# KiCad board oibus-mini-CCC_PANEL.kicad_pcb (continued)
## Placement (name value [footprint] x y rotation side) (continued)
D1#20  MBR120  [D_SOD-123F]  138.2 137.51 180 top
D1#21  MBR120  [D_SOD-123F]  64.2 137.51 180 top
D1#22  MBR120  [D_SOD-123F]  175.2 137.51 180 top
D1#23  MBR120  [D_SOD-123F]  27.2 203.51 180 top
D1#24  MBR120  [D_SOD-123F]  286.2 137.51 180 top
D1#25  MBR120  [D_SOD-123F]  249.2 137.51 180 top
D1#26  MBR120  [D_SOD-123F]  212.2 203.51 180 top
D1#27  MBR120  [D_SOD-123F]  101.2 203.51 180 top
D1#28  MBR120  [D_SOD-123F]  138.2 203.51 180 top
D1#29  MBR120  [D_SOD-123F]  64.2 203.51 180 top
D1#30  MBR120  [D_SOD-123F]  175.2 203.51 180 top
D1#31  MBR120  [D_SOD-123F]  286.2 203.51 180 top
D1#32  MBR120  [D_SOD-123F]  249.2 203.51 180 top
D3  LED_red  [LED_0603_1608Metric]  7.5 9.51 90 top
D3#2  LED_red  [LED_0603_1608Metric]  44.5 9.51 90 top
D3#3  LED_red  [LED_0603_1608Metric]  81.5 9.51 90 top
D3#4  LED_red  [LED_0603_1608Metric]  118.5 9.51 90 top
D3#5  LED_red  [LED_0603_1608Metric]  192.5 9.51 90 top
D3#6  LED_red  [LED_0603_1608Metric]  155.5 9.51 90 top
D3#7  LED_red  [LED_0603_1608Metric]  266.5 9.51 90 top
D3#8  LED_red  [LED_0603_1608Metric]  229.5 9.51 90 top
D3#9  LED_red  [LED_0603_1608Metric]  7.5 75.51 90 top
D3#10  LED_red  [LED_0603_1608Metric]  118.5 75.51 90 top
D3#11  LED_red  [LED_0603_1608Metric]  44.5 75.51 90 top
D3#12  LED_red  [LED_0603_1608Metric]  81.5 75.51 90 top
D3#13  LED_red  [LED_0603_1608Metric]  192.5 75.51 90 top
D3#14  LED_red  [LED_0603_1608Metric]  155.5 75.51 90 top
D3#15  LED_red  [LED_0603_1608Metric]  266.5 75.51 90 top
D3#16  LED_red  [LED_0603_1608Metric]  229.5 75.51 90 top
D3#17  LED_red  [LED_0603_1608Metric]  7.5 141.51 90 top
D3#18  LED_red  [LED_0603_1608Metric]  118.5 141.51 90 top
D3#19  LED_red  [LED_0603_1608Metric]  44.5 141.51 90 top
D3#20  LED_red  [LED_0603_1608Metric]  81.5 141.51 90 top
D3#21  LED_red  [LED_0603_1608Metric]  192.5 141.51 90 top
D3#22  LED_red  [LED_0603_1608Metric]  155.5 141.51 90 top
D3#23  LED_red  [LED_0603_1608Metric]  7.5 207.51 90 top
D3#24  LED_red  [LED_0603_1608Metric]  266.5 141.51 90 top
D3#25  LED_red  [LED_0603_1608Metric]  229.5 141.51 90 top
D3#26  LED_red  [LED_0603_1608Metric]  118.5 207.51 90 top
D3#27  LED_red  [LED_0603_1608Metric]  44.5 207.51 90 top
D3#28  LED_red  [LED_0603_1608Metric]  81.5 207.51 90 top
D3#29  LED_red  [LED_0603_1608Metric]  192.5 207.51 90 top
D3#30  LED_red  [LED_0603_1608Metric]  155.5 207.51 90 top
D3#31  LED_red  [LED_0603_1608Metric]  266.5 207.51 90 top
D3#32  LED_red  [LED_0603_1608Metric]  229.5 207.51 90 top
D4  LED_green  [LED_0603_1608Metric]  1.6 51.86 270 top
D4#2  LED_green  [LED_0603_1608Metric]  38.6 51.86 270 top
D4#3  LED_green  [LED_0603_1608Metric]  75.6 51.86 270 top
D4#4  LED_green  [LED_0603_1608Metric]  112.6 51.86 270 top
D4#5  LED_green  [LED_0603_1608Metric]  186.6 51.86 270 top
D4#6  LED_green  [LED_0603_1608Metric]  149.6 51.86 270 top
D4#7  LED_green  [LED_0603_1608Metric]  223.6 51.86 270 top
D4#8  LED_green  [LED_0603_1608Metric]  260.6 51.86 270 top
D4#9  LED_green  [LED_0603_1608Metric]  1.6 117.86 270 top
D4#10  LED_green  [LED_0603_1608Metric]  149.6 117.86 270 top
D4#11  LED_green  [LED_0603_1608Metric]  112.6 117.86 270 top
D4#12  LED_green  [LED_0603_1608Metric]  38.6 117.86 270 top
D4#13  LED_green  [LED_0603_1608Metric]  75.6 117.86 270 top
D4#14  LED_green  [LED_0603_1608Metric]  186.6 117.86 270 top
D4#15  LED_green  [LED_0603_1608Metric]  223.6 117.86 270 top
D4#16  LED_green  [LED_0603_1608Metric]  260.6 117.86 270 top
D4#17  LED_green  [LED_0603_1608Metric]  1.6 183.86 270 top
D4#18  LED_green  [LED_0603_1608Metric]  149.6 183.86 270 top
D4#19  LED_green  [LED_0603_1608Metric]  112.6 183.86 270 top
D4#20  LED_green  [LED_0603_1608Metric]  38.6 183.86 270 top
D4#21  LED_green  [LED_0603_1608Metric]  75.6 183.86 270 top
D4#22  LED_green  [LED_0603_1608Metric]  186.6 183.86 270 top
D4#23  LED_green  [LED_0603_1608Metric]  1.6 249.86 270 top
D4#24  LED_green  [LED_0603_1608Metric]  223.6 183.86 270 top
D4#25  LED_green  [LED_0603_1608Metric]  260.6 183.86 270 top
D4#26  LED_green  [LED_0603_1608Metric]  149.6 249.86 270 top
D4#27  LED_green  [LED_0603_1608Metric]  112.6 249.86 270 top
D4#28  LED_green  [LED_0603_1608Metric]  38.6 249.86 270 top
D4#29  LED_green  [LED_0603_1608Metric]  75.6 249.86 270 top
D4#30  LED_green  [LED_0603_1608Metric]  186.6 249.86 270 top
D4#31  LED_green  [LED_0603_1608Metric]  223.6 249.86 270 top
D4#32  LED_green  [LED_0603_1608Metric]  260.6 249.86 270 top
D5  LED_blue  [LED_0603_1608Metric]  35.9 21.01 270 top
D5#2  LED_blue  [LED_0603_1608Metric]  72.9 21.01 270 top
D5#3  LED_blue  [LED_0603_1608Metric]  109.9 21.01 270 top
D5#4  LED_blue  [LED_0603_1608Metric]  146.9 21.01 270 top
D5#5  LED_blue  [LED_0603_1608Metric]  220.9 21.01 270 top
D5#6  LED_blue  [LED_0603_1608Metric]  183.9 21.01 270 top
D5#7  LED_blue  [LED_0603_1608Metric]  257.9 21.01 270 top
D5#8  LED_blue  [LED_0603_1608Metric]  294.9 21.01 270 top
D5#9  LED_blue  [LED_0603_1608Metric]  35.9 87.01 270 top
D5#10  LED_blue  [LED_0603_1608Metric]  183.9 87.01 270 top
D5#11  LED_blue  [LED_0603_1608Metric]  146.9 87.01 270 top
D5#12  LED_blue  [LED_0603_1608Metric]  72.9 87.01 270 top
D5#13  LED_blue  [LED_0603_1608Metric]  109.9 87.01 270 top
D5#14  LED_blue  [LED_0603_1608Metric]  220.9 87.01 270 top
D5#15  LED_blue  [LED_0603_1608Metric]  257.9 87.01 270 top
D5#16  LED_blue  [LED_0603_1608Metric]  294.9 87.01 270 top
D5#17  LED_blue  [LED_0603_1608Metric]  35.9 153.01 270 top
D5#18  LED_blue  [LED_0603_1608Metric]  183.9 153.01 270 top
D5#19  LED_blue  [LED_0603_1608Metric]  146.9 153.01 270 top
D5#20  LED_blue  [LED_0603_1608Metric]  72.9 153.01 270 top
D5#21  LED_blue  [LED_0603_1608Metric]  109.9 153.01 270 top
D5#22  LED_blue  [LED_0603_1608Metric]  220.9 153.01 270 top
D5#23  LED_blue  [LED_0603_1608Metric]  35.9 219.01 270 top
D5#24  LED_blue  [LED_0603_1608Metric]  257.9 153.01 270 top
D5#25  LED_blue  [LED_0603_1608Metric]  294.9 153.01 270 top
D5#26  LED_blue  [LED_0603_1608Metric]  183.9 219.01 270 top
D5#27  LED_blue  [LED_0603_1608Metric]  146.9 219.01 270 top
D5#28  LED_blue  [LED_0603_1608Metric]  72.9 219.01 270 top
D5#29  LED_blue  [LED_0603_1608Metric]  109.9 219.01 270 top
D5#30  LED_blue  [LED_0603_1608Metric]  220.9 219.01 270 top
D5#31  LED_blue  [LED_0603_1608Metric]  257.9 219.01 270 top
D5#32  LED_blue  [LED_0603_1608Metric]  294.9 219.01 270 top
D6  D_TVS_x2_AAC  [SOT-323_SC-70]  29 13.51 180 top
D6#2  D_TVS_x2_AAC  [SOT-323_SC-70]  66 13.51 180 top
D6#3  D_TVS_x2_AAC  [SOT-323_SC-70]  140 13.51 180 top
D6#4  D_TVS_x2_AAC  [SOT-323_SC-70]  103 13.51 180 top
D6#5  D_TVS_x2_AAC  [SOT-323_SC-70]  214 13.51 180 top
D6#6  D_TVS_x2_AAC  [SOT-323_SC-70]  177 13.51 180 top
D6#7  D_TVS_x2_AAC  [SOT-323_SC-70]  288 13.51 180 top
D6#8  D_TVS_x2_AAC  [SOT-323_SC-70]  251 13.51 180 top
D6#9  D_TVS_x2_AAC  [SOT-323_SC-70]  66 79.51 180 top
D6#10  D_TVS_x2_AAC  [SOT-323_SC-70]  29 79.51 180 top
D6#11  D_TVS_x2_AAC  [SOT-323_SC-70]  214 79.51 180 top
D6#12  D_TVS_x2_AAC  [SOT-323_SC-70]  177 79.51 180 top
D6#13  D_TVS_x2_AAC  [SOT-323_SC-70]  140 79.51 180 top
D6#14  D_TVS_x2_AAC  [SOT-323_SC-70]  103 79.51 180 top
D6#15  D_TVS_x2_AAC  [SOT-323_SC-70]  288 79.51 180 top
D6#16  D_TVS_x2_AAC  [SOT-323_SC-70]  251 79.51 180 top
D6#17  D_TVS_x2_AAC  [SOT-323_SC-70]  66 145.51 180 top
D6#18  D_TVS_x2_AAC  [SOT-323_SC-70]  29 145.51 180 top
D6#19  D_TVS_x2_AAC  [SOT-323_SC-70]  214 145.51 180 top
D6#20  D_TVS_x2_AAC  [SOT-323_SC-70]  177 145.51 180 top
D6#21  D_TVS_x2_AAC  [SOT-323_SC-70]  140 145.51 180 top
D6#22  D_TVS_x2_AAC  [SOT-323_SC-70]  103 145.51 180 top
D6#23  D_TVS_x2_AAC  [SOT-323_SC-70]  66 211.51 180 top
D6#24  D_TVS_x2_AAC  [SOT-323_SC-70]  29 211.51 180 top
D6#25  D_TVS_x2_AAC  [SOT-323_SC-70]  288 145.51 180 top
D6#26  D_TVS_x2_AAC  [SOT-323_SC-70]  251 145.51 180 top
D6#27  D_TVS_x2_AAC  [SOT-323_SC-70]  214 211.51 180 top
D6#28  D_TVS_x2_AAC  [SOT-323_SC-70]  177 211.51 180 top
D6#29  D_TVS_x2_AAC  [SOT-323_SC-70]  140 211.51 180 top
D6#30  D_TVS_x2_AAC  [SOT-323_SC-70]  103 211.51 180 top
D6#31  D_TVS_x2_AAC  [SOT-323_SC-70]  288 211.51 180 top
D6#32  D_TVS_x2_AAC  [SOT-323_SC-70]  251 211.51 180 top
D7  LED_RGBA  [LED_RGB_1210]  35 51.01 270 top
D7#2  LED_RGBA  [LED_RGB_1210]  72 51.01 270 top
D7#3  LED_RGBA  [LED_RGB_1210]  109 51.01 270 top
D7#4  LED_RGBA  [LED_RGB_1210]  146 51.01 270 top
D7#5  LED_RGBA  [LED_RGB_1210]  183 51.01 270 top
D7#6  LED_RGBA  [LED_RGB_1210]  220 51.01 270 top
D7#7  LED_RGBA  [LED_RGB_1210]  294 51.01 270 top
D7#8  LED_RGBA  [LED_RGB_1210]  257 51.01 270 top
D7#9  LED_RGBA  [LED_RGB_1210]  35 117.01 270 top
D7#10  LED_RGBA  [LED_RGB_1210]  220 117.01 270 top
D7#11  LED_RGBA  [LED_RGB_1210]  109 117.01 270 top
D7#12  LED_RGBA  [LED_RGB_1210]  146 117.01 270 top
D7#13  LED_RGBA  [LED_RGB_1210]  72 117.01 270 top
D7#14  LED_RGBA  [LED_RGB_1210]  183 117.01 270 top
D7#15  LED_RGBA  [LED_RGB_1210]  294 117.01 270 top
D7#16  LED_RGBA  [LED_RGB_1210]  257 117.01 270 top
D7#17  LED_RGBA  [LED_RGB_1210]  35 183.01 270 top
D7#18  LED_RGBA  [LED_RGB_1210]  220 183.01 270 top
D7#19  LED_RGBA  [LED_RGB_1210]  109 183.01 270 top
D7#20  LED_RGBA  [LED_RGB_1210]  146 183.01 270 top
D7#21  LED_RGBA  [LED_RGB_1210]  72 183.01 270 top
D7#22  LED_RGBA  [LED_RGB_1210]  183 183.01 270 top
D7#23  LED_RGBA  [LED_RGB_1210]  35 249.01 270 top
D7#24  LED_RGBA  [LED_RGB_1210]  294 183.01 270 top
D7#25  LED_RGBA  [LED_RGB_1210]  257 183.01 270 top
D7#26  LED_RGBA  [LED_RGB_1210]  220 249.01 270 top
D7#27  LED_RGBA  [LED_RGB_1210]  109 249.01 270 top
D7#28  LED_RGBA  [LED_RGB_1210]  146 249.01 270 top
D7#29  LED_RGBA  [LED_RGB_1210]  72 249.01 270 top
D7#30  LED_RGBA  [LED_RGB_1210]  183 249.01 270 top
D7#31  LED_RGBA  [LED_RGB_1210]  294 249.01 270 top
D7#32  LED_RGBA  [LED_RGB_1210]  257 249.01 270 top
FB1  Ferrite_Bead  [L_0603_1608Metric]  9.6 31.21 90 top
FB1#2  Ferrite_Bead  [L_0603_1608Metric]  46.6 31.21 90 top
FB1#3  Ferrite_Bead  [L_0603_1608Metric]  83.6 31.21 90 top
FB1#4  Ferrite_Bead  [L_0603_1608Metric]  120.6 31.21 90 top
FB1#5  Ferrite_Bead  [L_0603_1608Metric]  194.6 31.21 90 top
FB1#6  Ferrite_Bead  [L_0603_1608Metric]  157.6 31.21 90 top
FB1#7  Ferrite_Bead  [L_0603_1608Metric]  231.6 31.21 90 top
FB1#8  Ferrite_Bead  [L_0603_1608Metric]  268.6 31.21 90 top
FB1#9  Ferrite_Bead  [L_0603_1608Metric]  9.6 97.21 90 top
FB1#10  Ferrite_Bead  [L_0603_1608Metric]  157.6 97.21 90 top
FB1#11  Ferrite_Bead  [L_0603_1608Metric]  120.6 97.21 90 top
FB1#12  Ferrite_Bead  [L_0603_1608Metric]  83.6 97.21 90 top
FB1#13  Ferrite_Bead  [L_0603_1608Metric]  46.6 97.21 90 top
FB1#14  Ferrite_Bead  [L_0603_1608Metric]  194.6 97.21 90 top
FB1#15  Ferrite_Bead  [L_0603_1608Metric]  231.6 97.21 90 top
FB1#16  Ferrite_Bead  [L_0603_1608Metric]  268.6 97.21 90 top
FB1#17  Ferrite_Bead  [L_0603_1608Metric]  9.6 163.21 90 top
FB1#18  Ferrite_Bead  [L_0603_1608Metric]  157.6 163.21 90 top
FB1#19  Ferrite_Bead  [L_0603_1608Metric]  120.6 163.21 90 top
FB1#20  Ferrite_Bead  [L_0603_1608Metric]  83.6 163.21 90 top
FB1#21  Ferrite_Bead  [L_0603_1608Metric]  46.6 163.21 90 top
FB1#22  Ferrite_Bead  [L_0603_1608Metric]  194.6 163.21 90 top
FB1#23  Ferrite_Bead  [L_0603_1608Metric]  231.6 163.21 90 top
FB1#24  Ferrite_Bead  [L_0603_1608Metric]  9.6 229.21 90 top
FB1#25  Ferrite_Bead  [L_0603_1608Metric]  268.6 163.21 90 top
FB1#26  Ferrite_Bead  [L_0603_1608Metric]  157.6 229.21 90 top
FB1#27  Ferrite_Bead  [L_0603_1608Metric]  120.6 229.21 90 top
FB1#28  Ferrite_Bead  [L_0603_1608Metric]  83.6 229.21 90 top
FB1#29  Ferrite_Bead  [L_0603_1608Metric]  46.6 229.21 90 top
FB1#30  Ferrite_Bead  [L_0603_1608Metric]  194.6 229.21 90 top
FB1#31  Ferrite_Bead  [L_0603_1608Metric]  231.6 229.21 90 top
FB1#32  Ferrite_Bead  [L_0603_1608Metric]  268.6 229.21 90 top
FB2  Ferrite_Bead  [L_0603_1608Metric]  7.8 31.2 90 top
FB2#2  Ferrite_Bead  [L_0603_1608Metric]  44.8 31.2 90 top
FB2#3  Ferrite_Bead  [L_0603_1608Metric]  81.8 31.2 90 top
FB2#4  Ferrite_Bead  [L_0603_1608Metric]  118.8 31.2 90 top
FB2#5  Ferrite_Bead  [L_0603_1608Metric]  192.8 31.2 90 top
FB2#6  Ferrite_Bead  [L_0603_1608Metric]  155.8 31.2 90 top
FB2#7  Ferrite_Bead  [L_0603_1608Metric]  266.8 31.2 90 top
FB2#8  Ferrite_Bead  [L_0603_1608Metric]  229.8 31.2 90 top
FB2#9  Ferrite_Bead  [L_0603_1608Metric]  7.8 97.2 90 top
FB2#10  Ferrite_Bead  [L_0603_1608Metric]  118.8 97.2 90 top
FB2#11  Ferrite_Bead  [L_0603_1608Metric]  81.8 97.2 90 top
FB2#12  Ferrite_Bead  [L_0603_1608Metric]  44.8 97.2 90 top
FB2#13  Ferrite_Bead  [L_0603_1608Metric]  192.8 97.2 90 top
FB2#14  Ferrite_Bead  [L_0603_1608Metric]  155.8 97.2 90 top
FB2#15  Ferrite_Bead  [L_0603_1608Metric]  266.8 97.2 90 top
FB2#16  Ferrite_Bead  [L_0603_1608Metric]  229.8 97.2 90 top
FB2#17  Ferrite_Bead  [L_0603_1608Metric]  7.8 163.2 90 top
FB2#18  Ferrite_Bead  [L_0603_1608Metric]  118.8 163.2 90 top
FB2#19  Ferrite_Bead  [L_0603_1608Metric]  81.8 163.2 90 top
FB2#20  Ferrite_Bead  [L_0603_1608Metric]  44.8 163.2 90 top
FB2#21  Ferrite_Bead  [L_0603_1608Metric]  192.8 163.2 90 top
FB2#22  Ferrite_Bead  [L_0603_1608Metric]  155.8 163.2 90 top
FB2#23  Ferrite_Bead  [L_0603_1608Metric]  7.8 229.2 90 top
FB2#24  Ferrite_Bead  [L_0603_1608Metric]  266.8 163.2 90 top
FB2#25  Ferrite_Bead  [L_0603_1608Metric]  229.8 163.2 90 top
FB2#26  Ferrite_Bead  [L_0603_1608Metric]  118.8 229.2 90 top
FB2#27  Ferrite_Bead  [L_0603_1608Metric]  81.8 229.2 90 top
FB2#28  Ferrite_Bead  [L_0603_1608Metric]  44.8 229.2 90 top
FB2#29  Ferrite_Bead  [L_0603_1608Metric]  192.8 229.2 90 top
FB2#30  Ferrite_Bead  [L_0603_1608Metric]  155.8 229.2 90 top
FB2#31  Ferrite_Bead  [L_0603_1608Metric]  266.8 229.2 90 top
FB2#32  Ferrite_Bead  [L_0603_1608Metric]  229.8 229.2 90 top
FID1  Fiducial  [Fiducial_0.5mm_Mask1mm]  2 2.01 0 top
FID1#2  Fiducial  [Fiducial_0.5mm_Mask1mm]  39 2.01 0 top
FID1#3  Fiducial  [Fiducial_0.5mm_Mask1mm]  113 2.01 0 top
FID1#4  Fiducial  [Fiducial_0.5mm_Mask1mm]  76 2.01 0 top
FID1#5  Fiducial  [Fiducial_0.5mm_Mask1mm]  187 2.01 0 top
FID1#6  Fiducial  [Fiducial_0.5mm_Mask1mm]  150 2.01 0 top
FID1#7  Fiducial  [Fiducial_0.5mm_Mask1mm]  261 2.01 0 top
FID1#8  Fiducial  [Fiducial_0.5mm_Mask1mm]  224 2.01 0 top
FID1#9  Fiducial  [Fiducial_0.5mm_Mask1mm]  39 68.01 0 top
FID1#10  Fiducial  [Fiducial_0.5mm_Mask1mm]  2 68.01 0 top
FID1#11  Fiducial  [Fiducial_0.5mm_Mask1mm]  187 68.01 0 top
FID1#12  Fiducial  [Fiducial_0.5mm_Mask1mm]  150 68.01 0 top
FID1#13  Fiducial  [Fiducial_0.5mm_Mask1mm]  113 68.01 0 top
FID1#14  Fiducial  [Fiducial_0.5mm_Mask1mm]  76 68.01 0 top
FID1#15  Fiducial  [Fiducial_0.5mm_Mask1mm]  261 68.01 0 top
FID1#16  Fiducial  [Fiducial_0.5mm_Mask1mm]  224 68.01 0 top
FID1#17  Fiducial  [Fiducial_0.5mm_Mask1mm]  39 134.01 0 top
FID1#18  Fiducial  [Fiducial_0.5mm_Mask1mm]  2 134.01 0 top
FID1#19  Fiducial  [Fiducial_0.5mm_Mask1mm]  187 134.01 0 top
FID1#20  Fiducial  [Fiducial_0.5mm_Mask1mm]  150 134.01 0 top
FID1#21  Fiducial  [Fiducial_0.5mm_Mask1mm]  113 134.01 0 top
FID1#22  Fiducial  [Fiducial_0.5mm_Mask1mm]  76 134.01 0 top
FID1#23  Fiducial  [Fiducial_0.5mm_Mask1mm]  39 200.01 0 top
FID1#24  Fiducial  [Fiducial_0.5mm_Mask1mm]  2 200.01 0 top
FID1#25  Fiducial  [Fiducial_0.5mm_Mask1mm]  261 134.01 0 top
FID1#26  Fiducial  [Fiducial_0.5mm_Mask1mm]  224 134.01 0 top
FID1#27  Fiducial  [Fiducial_0.5mm_Mask1mm]  187 200.01 0 top
FID1#28  Fiducial  [Fiducial_0.5mm_Mask1mm]  150 200.01 0 top
FID1#29  Fiducial  [Fiducial_0.5mm_Mask1mm]  113 200.01 0 top
FID1#30  Fiducial  [Fiducial_0.5mm_Mask1mm]  76 200.01 0 top
FID1#31  Fiducial  [Fiducial_0.5mm_Mask1mm]  261 200.01 0 top
FID1#32  Fiducial  [Fiducial_0.5mm_Mask1mm]  224 200.01 0 top
FID2  Fiducial  [Fiducial_0.5mm_Mask1mm]  1.75 58.51 0 top
FID2#2  Fiducial  [Fiducial_0.5mm_Mask1mm]  38.75 58.51 0 top
FID2#3  Fiducial  [Fiducial_0.5mm_Mask1mm]  112.75 58.51 0 top
FID2#4  Fiducial  [Fiducial_0.5mm_Mask1mm]  75.75 58.51 0 top
FID2#5  Fiducial  [Fiducial_0.5mm_Mask1mm]  186.75 58.51 0 top
FID2#6  Fiducial  [Fiducial_0.5mm_Mask1mm]  149.75 58.51 0 top
FID2#7  Fiducial  [Fiducial_0.5mm_Mask1mm]  260.75 58.51 0 top
FID2#8  Fiducial  [Fiducial_0.5mm_Mask1mm]  223.75 58.51 0 top
FID2#9  Fiducial  [Fiducial_0.5mm_Mask1mm]  38.75 124.51 0 top
FID2#10  Fiducial  [Fiducial_0.5mm_Mask1mm]  1.75 124.51 0 top
FID2#11  Fiducial  [Fiducial_0.5mm_Mask1mm]  186.75 124.51 0 top
FID2#12  Fiducial  [Fiducial_0.5mm_Mask1mm]  149.75 124.51 0 top
FID2#13  Fiducial  [Fiducial_0.5mm_Mask1mm]  112.75 124.51 0 top
FID2#14  Fiducial  [Fiducial_0.5mm_Mask1mm]  75.75 124.51 0 top
FID2#15  Fiducial  [Fiducial_0.5mm_Mask1mm]  260.75 124.51 0 top
FID2#16  Fiducial  [Fiducial_0.5mm_Mask1mm]  223.75 124.51 0 top
FID2#17  Fiducial  [Fiducial_0.5mm_Mask1mm]  38.75 190.51 0 top
FID2#18  Fiducial  [Fiducial_0.5mm_Mask1mm]  1.75 190.51 0 top
FID2#19  Fiducial  [Fiducial_0.5mm_Mask1mm]  186.75 190.51 0 top
FID2#20  Fiducial  [Fiducial_0.5mm_Mask1mm]  149.75 190.51 0 top
FID2#21  Fiducial  [Fiducial_0.5mm_Mask1mm]  112.75 190.51 0 top
FID2#22  Fiducial  [Fiducial_0.5mm_Mask1mm]  75.75 190.51 0 top
FID2#23  Fiducial  [Fiducial_0.5mm_Mask1mm]  38.75 256.51 0 top
FID2#24  Fiducial  [Fiducial_0.5mm_Mask1mm]  1.75 256.51 0 top
FID2#25  Fiducial  [Fiducial_0.5mm_Mask1mm]  260.75 190.51 0 top
FID2#26  Fiducial  [Fiducial_0.5mm_Mask1mm]  223.75 190.51 0 top
FID2#27  Fiducial  [Fiducial_0.5mm_Mask1mm]  186.75 256.51 0 top
FID2#28  Fiducial  [Fiducial_0.5mm_Mask1mm]  149.75 256.51 0 top
FID2#29  Fiducial  [Fiducial_0.5mm_Mask1mm]  112.75 256.51 0 top
FID2#30  Fiducial  [Fiducial_0.5mm_Mask1mm]  75.75 256.51 0 top
FID2#31  Fiducial  [Fiducial_0.5mm_Mask1mm]  260.75 256.51 0 top
FID2#32  Fiducial  [Fiducial_0.5mm_Mask1mm]  223.75 256.51 0 top
FID3  Fiducial  [Fiducial_0.5mm_Mask1mm]  35.5 7.31 0 top
FID3#2  Fiducial  [Fiducial_0.5mm_Mask1mm]  72.5 7.31 0 top
FID3#3  Fiducial  [Fiducial_0.5mm_Mask1mm]  146.5 7.31 0 top
FID3#4  Fiducial  [Fiducial_0.5mm_Mask1mm]  109.5 7.31 0 top
FID3#5  Fiducial  [Fiducial_0.5mm_Mask1mm]  220.5 7.31 0 top
FID3#6  Fiducial  [Fiducial_0.5mm_Mask1mm]  183.5 7.31 0 top
FID3#7  Fiducial  [Fiducial_0.5mm_Mask1mm]  294.5 7.31 0 top
FID3#8  Fiducial  [Fiducial_0.5mm_Mask1mm]  257.5 7.31 0 top
FID3#9  Fiducial  [Fiducial_0.5mm_Mask1mm]  72.5 73.31 0 top
FID3#10  Fiducial  [Fiducial_0.5mm_Mask1mm]  35.5 73.31 0 top
FID3#11  Fiducial  [Fiducial_0.5mm_Mask1mm]  220.5 73.31 0 top
FID3#12  Fiducial  [Fiducial_0.5mm_Mask1mm]  183.5 73.31 0 top
FID3#13  Fiducial  [Fiducial_0.5mm_Mask1mm]  146.5 73.31 0 top
FID3#14  Fiducial  [Fiducial_0.5mm_Mask1mm]  109.5 73.31 0 top
FID3#15  Fiducial  [Fiducial_0.5mm_Mask1mm]  294.5 73.31 0 top
FID3#16  Fiducial  [Fiducial_0.5mm_Mask1mm]  257.5 73.31 0 top
FID3#17  Fiducial  [Fiducial_0.5mm_Mask1mm]  72.5 139.31 0 top
FID3#18  Fiducial  [Fiducial_0.5mm_Mask1mm]  35.5 139.31 0 top
FID3#19  Fiducial  [Fiducial_0.5mm_Mask1mm]  220.5 139.31 0 top
FID3#20  Fiducial  [Fiducial_0.5mm_Mask1mm]  183.5 139.31 0 top
FID3#21  Fiducial  [Fiducial_0.5mm_Mask1mm]  146.5 139.31 0 top
FID3#22  Fiducial  [Fiducial_0.5mm_Mask1mm]  109.5 139.31 0 top
FID3#23  Fiducial  [Fiducial_0.5mm_Mask1mm]  72.5 205.31 0 top
FID3#24  Fiducial  [Fiducial_0.5mm_Mask1mm]  35.5 205.31 0 top
FID3#25  Fiducial  [Fiducial_0.5mm_Mask1mm]  294.5 139.31 0 top
FID3#26  Fiducial  [Fiducial_0.5mm_Mask1mm]  257.5 139.31 0 top
FID3#27  Fiducial  [Fiducial_0.5mm_Mask1mm]  220.5 205.31 0 top
FID3#28  Fiducial  [Fiducial_0.5mm_Mask1mm]  183.5 205.31 0 top
FID3#29  Fiducial  [Fiducial_0.5mm_Mask1mm]  146.5 205.31 0 top
FID3#30  Fiducial  [Fiducial_0.5mm_Mask1mm]  109.5 205.31 0 top
FID3#31  Fiducial  [Fiducial_0.5mm_Mask1mm]  294.5 205.31 0 top
FID3#32  Fiducial  [Fiducial_0.5mm_Mask1mm]  257.5 205.31 0 top
G***  LOGO  [CCC_logo]  18.1 44.61 180 bottom
G***#2  LOGO  [CCC_logo]  55.1 44.61 180 bottom
G***#3  LOGO  [CCC_logo]  92.1 44.61 180 bottom
G***#4  LOGO  [CCC_logo]  129.1 44.61 180 bottom
G***#5  LOGO  [CCC_logo]  166.1 44.61 180 bottom
G***#6  LOGO  [CCC_logo]  203.1 44.61 180 bottom
G***#7  LOGO  [CCC_logo]  277.1 44.61 180 bottom
G***#8  LOGO  [CCC_logo]  240.1 44.61 180 bottom
G***#9  LOGO  [CCC_logo]  18.1 110.61 180 bottom
G***#10  LOGO  [CCC_logo]  203.1 110.61 180 bottom
G***#11  LOGO  [CCC_logo]  92.1 110.61 180 bottom
G***#12  LOGO  [CCC_logo]  129.1 110.61 180 bottom
G***#13  LOGO  [CCC_logo]  55.1 110.61 180 bottom
G***#14  LOGO  [CCC_logo]  166.1 110.61 180 bottom
G***#15  LOGO  [CCC_logo]  277.1 110.61 180 bottom
G***#16  LOGO  [CCC_logo]  240.1 110.61 180 bottom
G***#17  LOGO  [CCC_logo]  18.1 176.61 180 bottom
G***#18  LOGO  [CCC_logo]  203.1 176.61 180 bottom
G***#19  LOGO  [CCC_logo]  92.1 176.61 180 bottom
G***#20  LOGO  [CCC_logo]  129.1 176.61 180 bottom
G***#21  LOGO  [CCC_logo]  55.1 176.61 180 bottom
G***#22  LOGO  [CCC_logo]  166.1 176.61 180 bottom
G***#23  LOGO  [CCC_logo]  277.1 176.61 180 bottom
G***#24  LOGO  [CCC_logo]  18.1 242.61 180 bottom
G***#25  LOGO  [CCC_logo]  240.1 176.61 180 bottom
G***#26  LOGO  [CCC_logo]  203.1 242.61 180 bottom
G***#27  LOGO  [CCC_logo]  92.1 242.61 180 bottom
G***#28  LOGO  [CCC_logo]  129.1 242.61 180 bottom
G***#29  LOGO  [CCC_logo]  55.1 242.61 180 bottom
G***#30  LOGO  [CCC_logo]  166.1 242.61 180 bottom
G***#31  LOGO  [CCC_logo]  277.1 242.61 180 bottom
G***#32  LOGO  [CCC_logo]  240.1 242.61 180 bottom
H1  MountingHole_Pad  [MountingHole_3.2mm_M3_DIN965_Pad]  18.5 56.01 0 top
H1#2  MountingHole_Pad  [MountingHole_3.2mm_M3_DIN965_Pad]  55.5 56.01 0 top
H1#3  MountingHole_Pad  [MountingHole_3.2mm_M3_DIN965_Pad]  129.5 56.01 0 top
H1#4  MountingHole_Pad  [MountingHole_3.2mm_M3_DIN965_Pad]  92.5 56.01 0 top
H1#5  MountingHole_Pad  [MountingHole_3.2mm_M3_DIN965_Pad]  203.5 56.01 0 top
H1#6  MountingHole_Pad  [MountingHole_3.2mm_M3_DIN965_Pad]  166.5 56.01 0 top
H1#7  MountingHole_Pad  [MountingHole_3.2mm_M3_DIN965_Pad]  277.5 56.01 0 top
H1#8  MountingHole_Pad  [MountingHole_3.2mm_M3_DIN965_Pad]  240.5 56.01 0 top
H1#9  MountingHole_Pad  [MountingHole_3.2mm_M3_DIN965_Pad]  55.5 122.01 0 top
H1#10  MountingHole_Pad  [MountingHole_3.2mm_M3_DIN965_Pad]  18.5 122.01 0 top
H1#11  MountingHole_Pad  [MountingHole_3.2mm_M3_DIN965_Pad]  203.5 122.01 0 top
H1#12  MountingHole_Pad  [MountingHole_3.2mm_M3_DIN965_Pad]  166.5 122.01 0 top
H1#13  MountingHole_Pad  [MountingHole_3.2mm_M3_DIN965_Pad]  129.5 122.01 0 top
H1#14  MountingHole_Pad  [MountingHole_3.2mm_M3_DIN965_Pad]  92.5 122.01 0 top
H1#15  MountingHole_Pad  [MountingHole_3.2mm_M3_DIN965_Pad]  277.5 122.01 0 top
H1#16  MountingHole_Pad  [MountingHole_3.2mm_M3_DIN965_Pad]  240.5 122.01 0 top
H1#17  MountingHole_Pad  [MountingHole_3.2mm_M3_DIN965_Pad]  55.5 188.01 0 top
H1#18  MountingHole_Pad  [MountingHole_3.2mm_M3_DIN965_Pad]  18.5 188.01 0 top
H1#19  MountingHole_Pad  [MountingHole_3.2mm_M3_DIN965_Pad]  203.5 188.01 0 top
H1#20  MountingHole_Pad  [MountingHole_3.2mm_M3_DIN965_Pad]  166.5 188.01 0 top
H1#21  MountingHole_Pad  [MountingHole_3.2mm_M3_DIN965_Pad]  129.5 188.01 0 top
H1#22  MountingHole_Pad  [MountingHole_3.2mm_M3_DIN965_Pad]  92.5 188.01 0 top
H1#23  MountingHole_Pad  [MountingHole_3.2mm_M3_DIN965_Pad]  55.5 254.01 0 top
H1#24  MountingHole_Pad  [MountingHole_3.2mm_M3_DIN965_Pad]  18.5 254.01 0 top
H1#25  MountingHole_Pad  [MountingHole_3.2mm_M3_DIN965_Pad]  277.5 188.01 0 top
H1#26  MountingHole_Pad  [MountingHole_3.2mm_M3_DIN965_Pad]  240.5 188.01 0 top
H1#27  MountingHole_Pad  [MountingHole_3.2mm_M3_DIN965_Pad]  203.5 254.01 0 top
H1#28  MountingHole_Pad  [MountingHole_3.2mm_M3_DIN965_Pad]  166.5 254.01 0 top
H1#29  MountingHole_Pad  [MountingHole_3.2mm_M3_DIN965_Pad]  129.5 254.01 0 top
H1#30  MountingHole_Pad  [MountingHole_3.2mm_M3_DIN965_Pad]  92.5 254.01 0 top
H1#31  MountingHole_Pad  [MountingHole_3.2mm_M3_DIN965_Pad]  277.5 254.01 0 top
H1#32  MountingHole_Pad  [MountingHole_3.2mm_M3_DIN965_Pad]  240.5 254.01 0 top
H2  OIBUS_12.1_CONN  [OIBUS12_connector]  12.5 10.51 90 top
H2#2  OIBUS_12.1_CONN  [OIBUS12_connector]  49.5 10.51 90 top
H2#3  OIBUS_12.1_CONN  [OIBUS12_connector]  86.5 10.51 90 top
H2#4  OIBUS_12.1_CONN  [OIBUS12_connector]  123.5 10.51 90 top
H2#5  OIBUS_12.1_CONN  [OIBUS12_connector]  197.5 10.51 90 top
H2#6  OIBUS_12.1_CONN  [OIBUS12_connector]  160.5 10.51 90 top
H2#7  OIBUS_12.1_CONN  [OIBUS12_connector]  234.5 10.51 90 top
H2#8  OIBUS_12.1_CONN  [OIBUS12_connector]  271.5 10.51 90 top
H2#9  OIBUS_12.1_CONN  [OIBUS12_connector]  12.5 76.51 90 top
H2#10  OIBUS_12.1_CONN  [OIBUS12_connector]  160.5 76.51 90 top
H2#11  OIBUS_12.1_CONN  [OIBUS12_connector]  123.5 76.51 90 top
H2#12  OIBUS_12.1_CONN  [OIBUS12_connector]  49.5 76.51 90 top
H2#13  OIBUS_12.1_CONN  [OIBUS12_connector]  86.5 76.51 90 top
H2#14  OIBUS_12.1_CONN  [OIBUS12_connector]  197.5 76.51 90 top
H2#15  OIBUS_12.1_CONN  [OIBUS12_connector]  234.5 76.51 90 top
H2#16  OIBUS_12.1_CONN  [OIBUS12_connector]  271.5 76.51 90 top
H2#17  OIBUS_12.1_CONN  [OIBUS12_connector]  12.5 142.51 90 top